# Altium PCB Controller_PCB.PcbDoc (part 1 of 3)
Units mm, origin at the board's own origin, x right, y up, seen from the top; angles counter-clockwise.
Board outline 200 x 105 mm, 2 copper layers (Top Layer, Bottom Layer), stack 1.57 mm thick; 199 components, 174 nets, 839 pads, 274 vias.
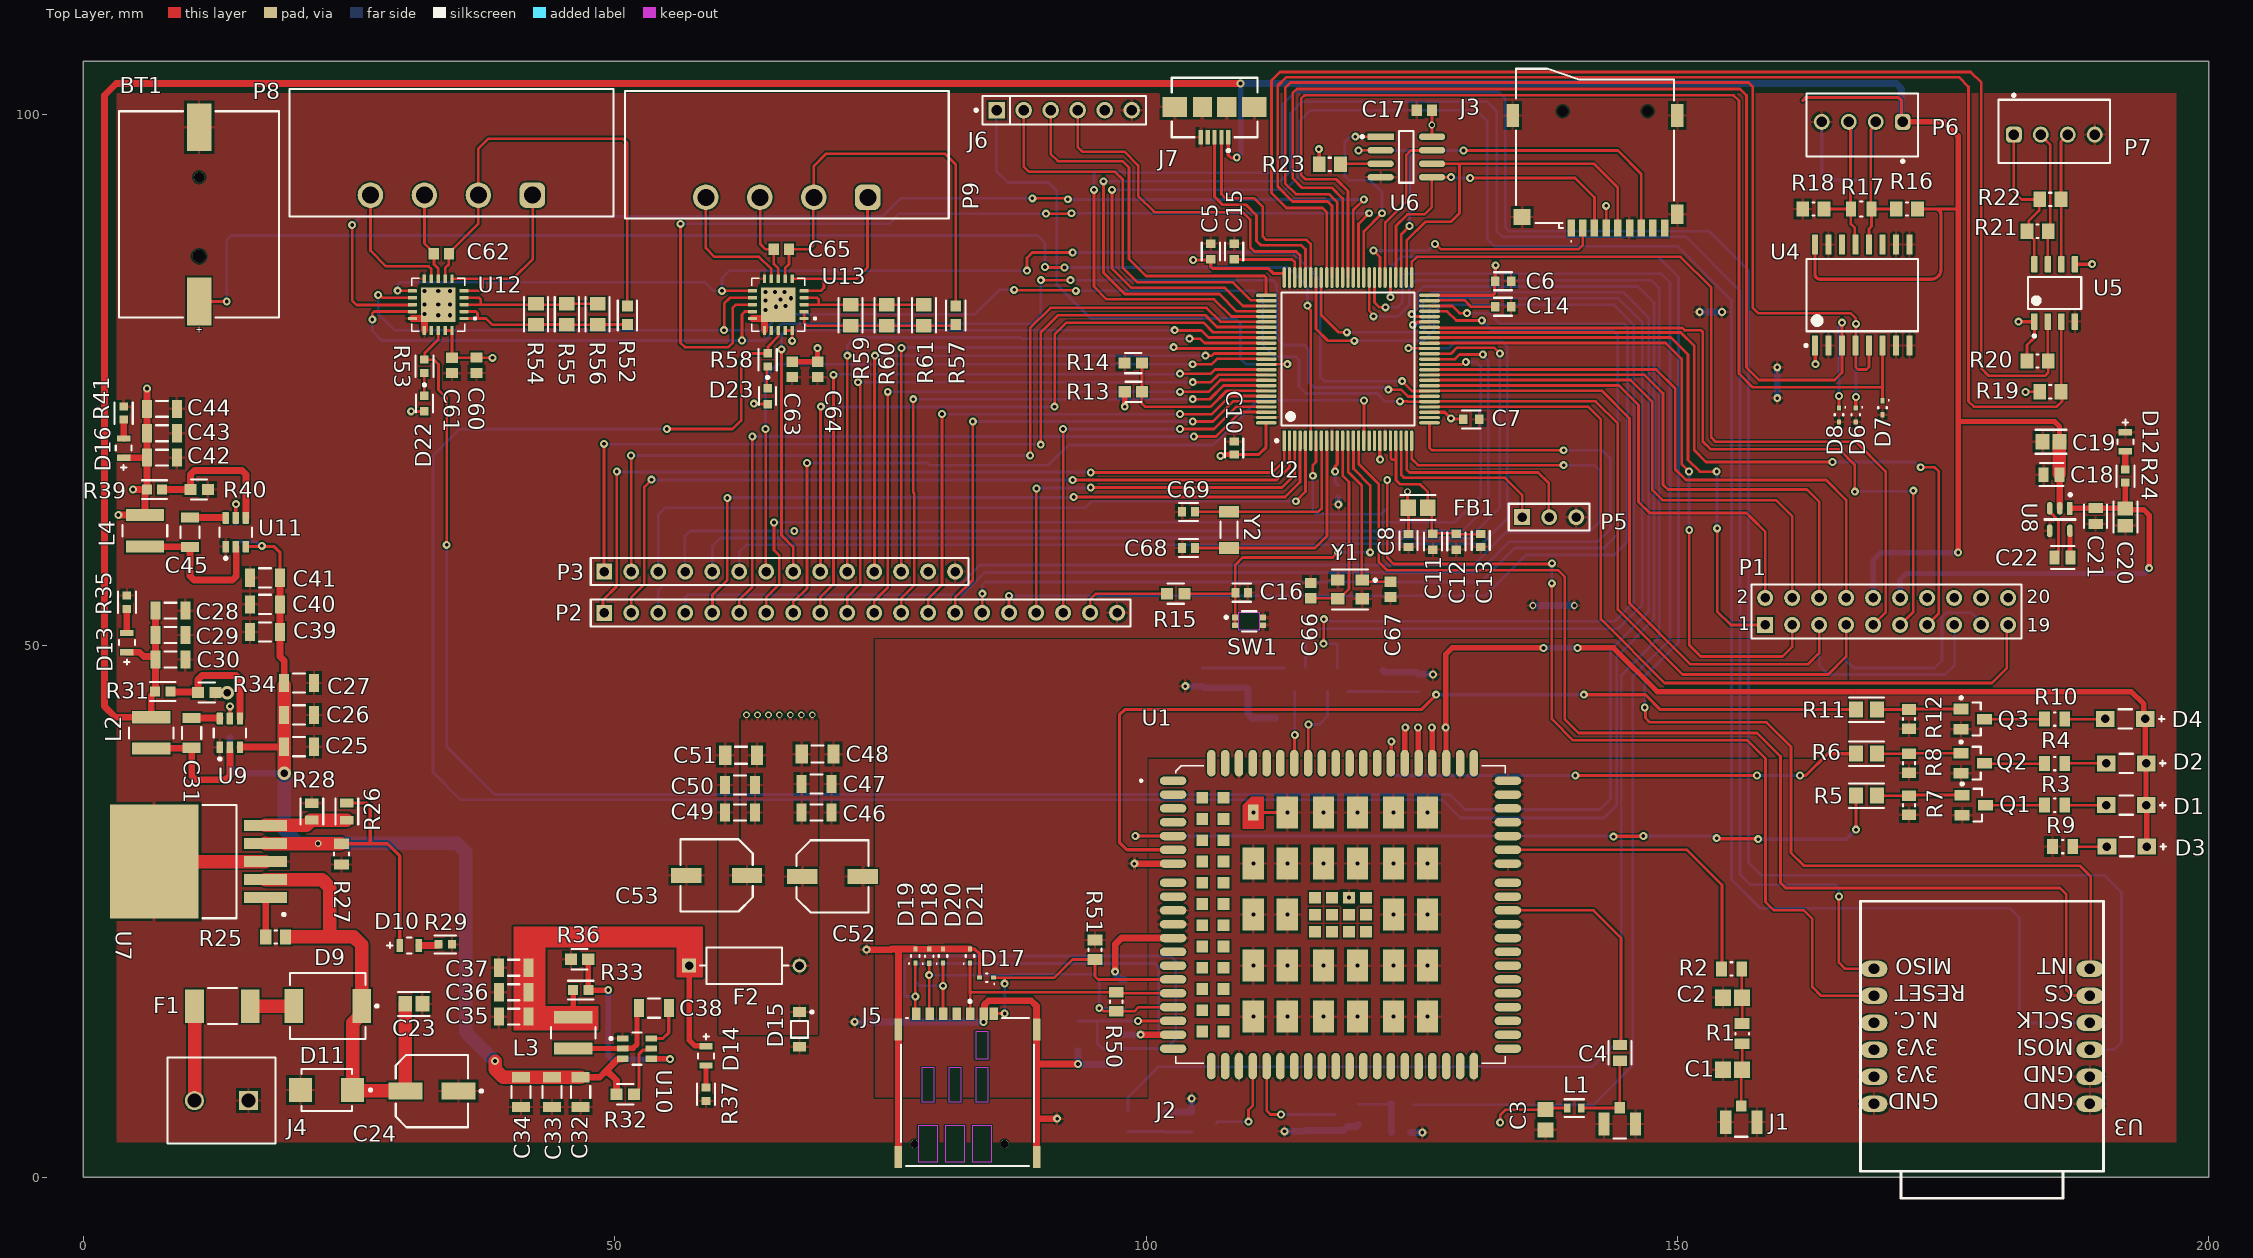
[diagram p0: Top Layer view]
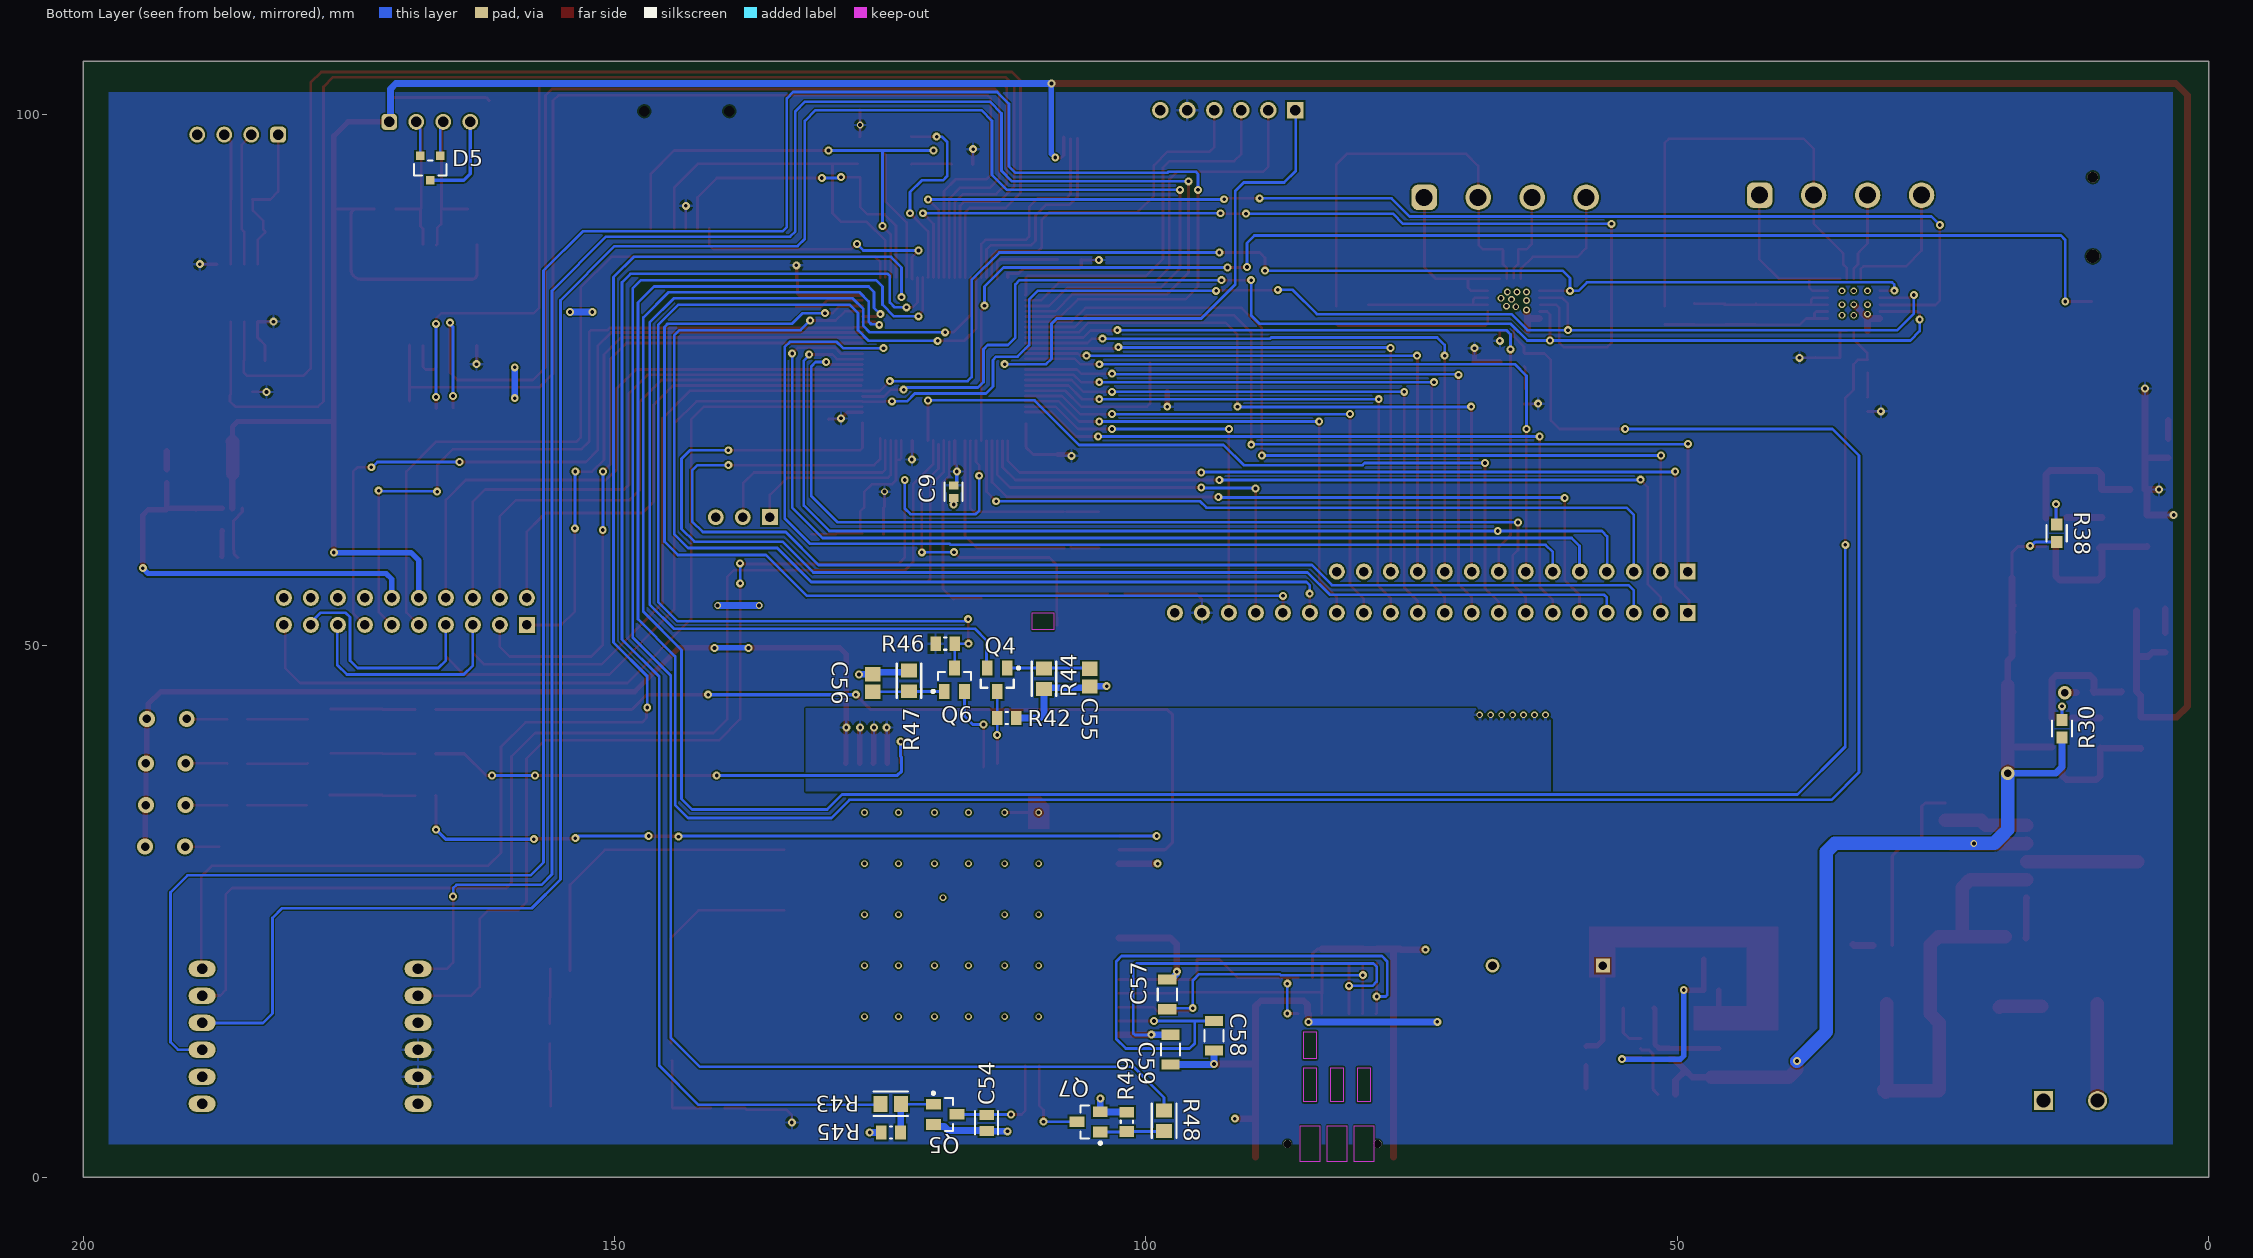
[diagram p1: Bottom Layer view, seen from below]
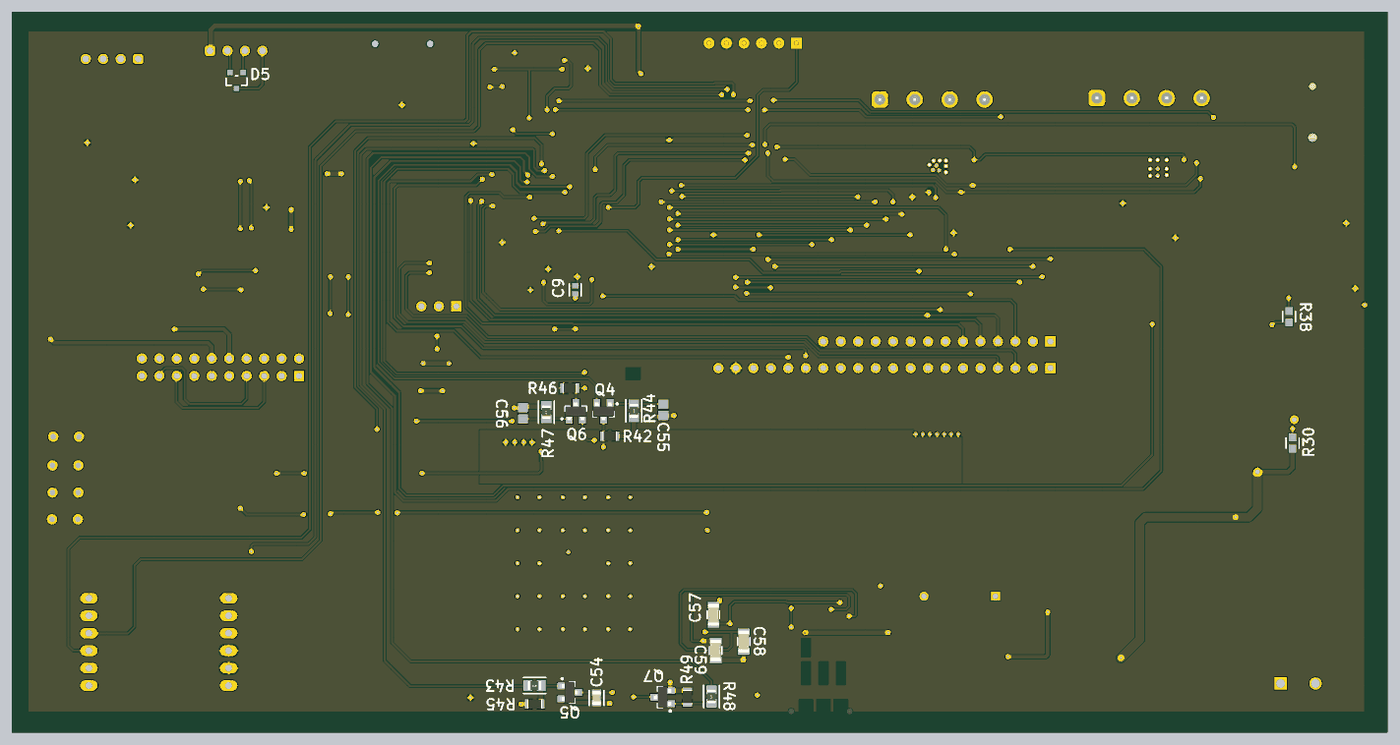
[diagram p4: 3D render of the assembled board from below, using the file's embedded part models]

## Layer stack, top to bottom
Top Solder: solder mask 0.01, Solder Resist, Dk 3.5
Top Layer: signal copper 0.035
Dielectric 1: dielectric 1.5, FR-4, Dk 4.8
Bottom Layer: signal copper 0.035
Bottom Solder: solder mask 0.01, Solder Resist, Dk 3.5

## Board outline
0,0 200,0 200,105 0,105

## Design rules (kind name [scope] priority, off if disabled: settings)
BoardOutlineClearance [All] p1: gap=0.3 ignorepadtopadclearanceinfootprint=FALSE
Clearance [All] p1: gap=0.152 ignorepadtopadclearanceinfootprint=FALSE
MinimumSolderMaskSliver [All] p1: minsoldermaskwidth=0.076
PolygonConnect [All] p1: connectstyle=Relief reliefconductorwidth=0.254 reliefentries=4 polygonreliefangle="90 Angle" airgapwidth=0.254
RoutingVias [All] p1: holewidth=0.35 width=0.75 viastyle="Through Hole" minholewidth=0.2 minwidth=0.45 maxholewidth=0.45 maxwidth=0.8
SilkToSolderMaskClearance [IsPad] p1: minsilkscreentomaskgap=0.127 clearancetoexposedcopper=TRUE
SolderMaskExpansion [All] p1: expansion=0.102 istentingtop=FALSE
Width [All] p1: maxlimit=2.54 minlimit=0.254 preferedwidth=0.254 minimp=50.000000 maximp=50.000000 favimp=50.000000
28 further rules are at their usual default settings.

## Classes and differential pairs
component class TEMP: C60 C61 C62 C63 C64 C65 D22 D23 P8 P9 R52 R53 R54 R55 R56 R57 R58 R59 R60 R61 U12 U13
component class GSM: U1
component class GSM_INDICATION: D1 D2 D3 D4 Q1 Q2 Q3 R3 R4 R5 R6 R7 R8 R9 R10 R11 R12
component class Communication_with_IO: P1 P2 P3
component class ANT: C1 C2 C3 C4 J1 J2 L1 R1 R2
component class Power_supply: C18 C19 C20 C21 C22 C23 C24 C25 C26 C27 C28 C29 C30 C31 C32 C33 C34 C35 C36 C37 C38 C39 C40 C41 C42 C43 C44 C45 C46 C47 C48 C49 C50 C51 C52 C53 D9 D10 D11 D12 D13 D14 D15 D16 F1 F2 FB1 J4 L2 L3 L4 R24 R25 R26 R27 R28 R29 R30 R31 R32 R33 R34 R35 R36 R37 R38 R39 R40 R41 U7 U8 U9 U10 U11
component class Peripherals: C17 D5 D6 D7 D8 J3 P6 P7 R16 R17 R18 R19 R20 R21 R22 R23 U3 U4 U5 U6 U48
component class MCU: BT1 C5 C6 C7 C8 C9 C10 C11 C12 C13 C14 C15 C16 C66 C67 C68 C69 J6 J7 P5 R13 R14 R15 SW1 U2 Y1 Y2
component class "SIM CARD": C54 C55 C56 C57 C58 C59 D17 D18 D19 D20 D21 J5 Q4 Q5 Q6 Q7 R42 R43 R44 R45 R46 R47 R48 R49 R50 R51

## Components (designator, comment, footprint, x,y, rotation, side; value= is the part's Value field where it differs from the comment)
BT1 "S8411-45R" FP-S8411-45R-MFG 10.9,90.6 r0 top
C1 "NA" CAPC2013X145X50ML20T25 155.2,10.1 r0 top
C2 "NA" CAPC2013X145X50ML20T25 155.2,16.9 r0 top
C3 "GRM21BR71H104KA01L" CAPC2013X135X45ML10T25 137.6,5.4 r90 top
C4 "C0805C101J1GACTU" FP-C0805C-DN-MFG 144.6,11.7 r270 top value="100 pF"
C5 "CC0603KRX5R8BB475" FP-CC0603-DA-MFG 106.1,87.1 r90 top value="4.7 uF"
C6 "CC0603KRX7R6BB105" FP-CC0603-DA-MFG 133.6,84.3 r0 top value="1 uF"
C7 "CC0603KRX7R6BB103" FP-CC0603-DA-MFG 130.6,71.3 r0 top value="10 nF"
C8 "C0603C104K8PAC7867" FP-C0603C-CF-MFG 124.7,59.9 r270 top value=0.1μF
C9 "C0603C104K8PAC7867" FP-C0603C-CF-MFG 118.1,64.5 r270 bottom value=0.1μF
C10 "C0603C104K8PAC7867" FP-C0603C-CF-MFG 108.3,68.6 r90 top value=0.1μF
C11 "CC0603KRX7R6BB105" FP-CC0603-DA-MFG 127,59.8 r270 top value="1 uF"
C12 "CC0603KRX7R6BB103" FP-CC0603-DA-MFG 129.2,59.8 r270 top value="10 nF"
C13 "C0603C104K8PAC7867" FP-C0603C-CF-MFG 131.5,59.9 r270 top value=0.1μF
C14 "CC0603KPX5R5BB225" FP-CC0603-DA-MFG 133.6,81.9 r0 top value="2.2 uF"
C15 "CC0603KPX5R5BB225" FP-CC0603-DA-MFG 108.3,87.1 r90 top value="2.2 uF"
C16 "C0603C104K8PAC7867" FP-C0603C-CF-MFG 109,55 r0 top value=0.1μF
C17 "0.1uF" CAPC1608X92X38ML15T08 126.2,100.4 r0 top
C18 "C0805C106K8PACTU" FP-C0805C-DG-MFG 185.206,66.1 r180 top value=10uF
C19 "08051C104K4T2A" FP-0805-L_2_01_0_2-W_1_25-IPC_B 185.156,69.2 r180 top
C20 "08051C104K4T2A" FP-0805-L_2_01_0_2-W_1_25-IPC_B 192.156,62.1 r270 top
C21 "C0805C106K8PACTU" FP-C0805C-DG-MFG 189.356,62.2 r270 top value=10uF
C22 "C0805C106K8PACTU" FP-C0805C-DG-MFG 186.256,58.3 r180 top value=10uF
C23 "08051C104K4T2A" FP-0805-L_2_01_0_2-W_1_25-IPC_B 31.1,16.3 r0 top
C24 "EEE-HA1H100P" FP-HAD-MFG 32.8,8.1 r180 top
C25 "C1206C106K3RACAUTO" FP-C1206C-EH-MFG 20.3,40.5 r0 top value=10uF
C26 "C1206C106K3RACAUTO" FP-C1206C-EH-MFG 20.3,43.5 r0 top value=10uF
C27 "C1206C104F3GACAUTO" FP-C1206C-EB-MFG 20.3,46.5 r0 top value=0.1μF
C28 "CAP 22uF 16V 1206(3216)" CAPC1206(3216)190_L 8.2,53.3 r180 top value=22uF
C29 "CAP 22uF 16V 1206(3216)" CAPC1206(3216)190_L 8.2,51 r180 top value=22uF
C30 "CAP 22uF 16V 1206(3216)" CAPC1206(3216)190_L 8.2,48.7 r180 top value=22uF
C31 "C1206C104F3GACAUTO" FP-C1206C-EB-MFG 10.2,41.8 r270 top value=0.1μF
C32 "C1206C106K3RACAUTO" FP-C1206C-EH-MFG 46.8,8 r270 top value=10uF
C33 "C1206C106K3RACAUTO" FP-C1206C-EH-MFG 44.1,8 r270 top value=10uF
C34 "C1206C104F3GACAUTO" FP-C1206C-EB-MFG 41.2,8 r270 top value=0.1μF
C35 "CAP 22uF 16V 1206(3216)" CAPC1206(3216)190_L 40.5,15.1 r0 top value=22uF
C36 "CAP 22uF 16V 1206(3216)" CAPC1206(3216)190_L 40.5,17.4 r0 top value=22uF
C37 "CAP 22uF 16V 1206(3216)" CAPC1206(3216)190_L 40.5,19.7 r0 top value=22uF
C38 "C1206C104F3GACAUTO" FP-C1206C-EB-MFG 53.7,15.9 r180 top value=0.1μF
C39 "C1206C106K3RACAUTO" FP-C1206C-EH-MFG 17.1,51.3 r180 top value=10uF
C40 "C1206C106K3RACAUTO" FP-C1206C-EH-MFG 17.1,53.9 r180 top value=10uF
C41 "C1206C104F3GACAUTO" FP-C1206C-EB-MFG 17.1,56.4 r180 top value=0.1μF
C42 "CAP 22uF 16V 1206(3216)" CAPC1206(3216)190_L 7.4,67.7 r180 top value=22uF
C43 "CAP 22uF 16V 1206(3216)" CAPC1206(3216)190_L 7.4,70 r180 top value=22uF
C44 "CAP 22uF 16V 1206(3216)" CAPC1206(3216)190_L 7.4,72.3 r180 top value=22uF
C45 "C1206C104F3GACAUTO" FP-C1206C-EB-MFG 10.05,60.681 r270 top value=0.1μF
C46 "CAP 100nF 16V 1206(3216)" CAPC1206(3216)170_L 69,34.3 r180 top value=100nF
C47 "C1206C330M4GACTU" FP-C1206C-EB-MFG 69,37 r0 top value="33 pF"
C48 "CAP 10pF 16V 1206(3216)" CAPC1206(3216)100_N 69.1,39.8 r180 top value=10pF
C49 "CAP 100nF 16V 1206(3216)" CAPC1206(3216)170_L 61.8,34.3 r0 top value=100nF
C50 "C1206C330M4GACTU" FP-C1206C-EB-MFG 61.8,36.9 r180 top value="33 pF"
C51 "CAP 10pF 16V 1206(3216)" CAPC1206(3216)100_N 61.9,39.7 r0 top value=10pF
C52 "EEEFK1C101P" PNSC-EEEFK1C101P_L 70.5,28.3 r0 top
C53 "EEEFK1C101P" PNSC-EEEFK1C101P_L 59.6,28.4 r180 top
C54 "C0805C103K2RACTU" FP-C0805C-DN-MFG 115,5.1 r270 bottom value="10,000 pF"
C55 "08051A102J4T2A" CAPC2013X94X50NL20T25 105.3,47 r90 bottom
C56 "08051A102J4T2A" CAPC2013X94X50NL20T25 125.7,46.5 r270 bottom
C57 "C1206C330M4GACTU" FP-C1206C-EB-MFG 98,17.2 r90 bottom value="33 pF"
C58 "C1206C330M4GACTU" FP-C1206C-EB-MFG 93.6,13.3 r270 bottom value="33 pF"
C59 "C1206C330M4GACTU" FP-C1206C-EB-MFG 97.7,12 r270 bottom value="33 pF"
C60 "0.1uF" CAPC1608X92X38ML15T08 37,76.401 r270 top
C61 "0.1uF" CAPC1608X92X38ML15T08 34.7,76.375 r270 top
C62 "0.1uF" CAPC1608X92X38ML15T08 33.7,86.9 r180 top
C63 "0.1uF" CAPC1608X92X38ML15T08 66.7,76 r270 top
C64 "0.1uF" CAPC1608X92X38ML15T08 69.1,76 r270 top
C65 "0.1uF" CAPC1608X92X38ML15T08 65.7,87.3 r180 top
C66 "VJ0603A180JXAAC" CAPC1608X92X38ML15T08 115.5,55.2 r90 top
C67 "VJ0603A180JXAAC" CAPC1608X92X38ML15T08 123,55.3 r90 top
C68 "C0603C120C5GAC7867" FP-C0603C-CF-MFG 104,59.2 r0 top value="12 pF"
C69 "C0603C120C5GAC7867" FP-C0603C-CF-MFG 104,62.6 r0 top value="12 pF"
D1 "KP-3216PBC-A" FP-KP-3216PBC-A-MFG 192.238,34.999 r180 top
D2 "KP-3216PBC-A" FP-KP-3216PBC-A-MFG 192.238,38.942 r180 top
D3 "KP-3216PBC-A" FP-KP-3216PBC-A-MFG 192.3,31.1 r180 top
D4 "KP-3216PBC-A" FP-KP-3216PBC-A-MFG 192.138,43.126 r180 top
D5 "SM712-02HTG" FP-SM712-MFG 167.35,94.955 r270 bottom
D6 "ESD5Z2.5T1G" ONSC-SOD-523-2-502-01_V 166.797,71.731 r270 top
D7 "ESD5Z2.5T1G" ONSC-SOD-523-2-502-01_V 169.3,72.4 r270 top
D8 "ESD5Z2.5T1G" ONSC-SOD-523-2-502-01_V 165.21,71.731 r270 top
D9 "SS34-E3/9AT" FP-SMC-MFG 23,16.1 r180 top
D10 "SML-LX0805SRC-TR" FP-SML-LX0805SRC-TR-MFG 30.673,21.8 r0 top
D11 "SMBJ33A" FP-SMBJ-MFG 22.9,8.2 r180 top
D12 "SML-LX0805SRC-TR" FP-SML-LX0805SRC-TR-MFG 192.156,69.2 r270 top
D13 "SML-LX0805SRC-TR" FP-SML-LX0805SRC-TR-MFG 4.1,50.3 r90 top
D14 "SML-LX0805SRC-TR" FP-SML-LX0805SRC-TR-MFG 58.6,11.4 r270 top
D15 "MMSZ4V7T1G" ONSC-SOD-123-2-425-04_V 67.4,13.9 r270 top
D16 "SML-LX0805SRC-TR" FP-SML-LX0805SRC-TR-MFG 3.8,68.6 r90 top
D17 "ESD5Z2.5T1G" ONSC-SOD-523-2-502-01_V 85.005,18.776 r180 top
D18 "ESD5Z2.5T1G" ONSC-SOD-523-2-502-01_V 79.603,20.79 r90 top
D19 "ESD5Z2.5T1G" ONSC-SOD-523-2-502-01_V 78.3,20.8 r90 top
D20 "ESD5Z2.5T1G" ONSC-SOD-523-2-502-01_V 80.9,20.8 r90 top
D21 "ESD5Z2.5T1G" ONSC-SOD-523-2-502-01_V 83.444,20.8 r90 top
D22 "LTST-C191TBKT" FP-LTST-C191TBKT-MFG 32.1,72.8 r270 top
D23 "LTST-C191TBKT" FP-LTST-C191TBKT-MFG 64.4,73.5 r270 top
F1 "1812L150/24MR" FP-1812L-MFG 13.1,16.1 r0 top value=0.04-0.12Ω
F2 "0473003.YRT1L" FP-473-0 62.2,19.9 r0 top value=0.0380Ω
FB1 "BLM21AG121SN1D" FP-BLM21-0_2-t0_85-e0_5-IPC_A 125.6,63 r0 top
J1 "U.FL-R-SMT(10)" FP-U_FL-R-SMT_10-MFG 156.024,5.175 r0 top
J2 "U.FL-R-SMT(10)" FP-U_FL-R-SMT_10-MFG 144.575,5 r0 top
J3 "MSD-1-A" MSD1A 142.25,96.4 r180 top
J4 "1729128" PHOE-1729128-2_V 13,7.2 r180 top
J5 "SIM8066-6-1-14-01-A" FP-SIM8066-6-1-14-01-A-MFG 83.2,8 r0 top
J6 "315-43-106-41-001000" FP-315-43-106-41-001000-MFG 92.3,100.4 r0 top
J7 "10104110-0001LF" FCI-10104110-0001LF_V 106.45,99.275 r180 top
L1 "LQW18AN47NG00D" FP-LQW18AN_00-MFG 140.3,6.5 r180 top
L2 "IFSC1515AHER2R2M01" FP-IFSC1515AH-MFG 6.4,41.8 r90 top
L3 "IFSC1515AHER2R2M01" FP-IFSC1515AH-MFG 46.1,13.575 r90 top
L4 "IFSC1515AHER2R2M01" FP-IFSC1515AH-MFG 5.8,60.825 r90 top
P1 "Header 10X2" HDR2X10 158.26,51.96 r0 top locked
P2 "Header 20" HDR1X20 49.02,53.1 r0 top locked
P3 "Header 14" HDR1X14 49.02,56.979 r0 top locked
P5 "Header 3" HDR1X3 135.4,62.1 r0 top
P6 "61900411121" 61900411121 167.4,99 r0 top
P7 "61900411121" 61900411121 185.47,98.4 r180 top
P8 "691317510004" 691317510004 34.64,96.4 r180 top
P9 "691317510004" 691317510004 66.2,96.2 r180 top
Q1 "MMBT3904" FAIR-SOT23-3_V 177.9,35 r0 top
Q2 "MMBT3904" FAIR-SOT23-3_V 177.8,38.95 r0 top
Q3 "MMBT3904" FAIR-SOT23-3_V 177.8,43.1 r0 top
Q4 "MMBT3904" FAIR-SOT23-3_V 114,46.8 r270 bottom
Q5 "MMBT3904" FAIR-SOT23-3_V 118.9,5.9 r180 bottom
Q6 "MMBT3904" FAIR-SOT23-3_V 118.025,46.8 r90 bottom
Q7 "MMBT3904" FAIR-SOT23-3_V 105.4,5.2 r0 bottom
R1 "0R" FP-CRCW0805-e3-IPC_B 156.1,13.5 r90 top
R2 "0R" FP-CRCW0805-e3-IPC_B 155.1,19.6 r180 top
R3 "CRCW08052K20FKEA" FP-CRCW0805-e3-IPC_B 185.5,35 r0 top
R4 "CRCW08052K20FKEA" FP-CRCW0805-e3-IPC_B 185.5,38.908 r0 top
R5 "CRG0805F1K0" FP-CRG0805-IPC_A 167.8,35.9 r180 top
R6 "CRG0805F1K0" FP-CRG0805-IPC_A 167.8,39.846 r180 top
R7 "RC0805FR-0710KL" RESC2013X60X35NL10T20 171.8,35 r90 top value=10K
R8 "RC0805FR-0710KL" RESC2013X60X35NL10T20 171.8,38.942 r90 top value=10K
R9 "CRCW08052K20FKEA" FP-CRCW0805-e3-IPC_B 186.251,31.1 r0 top
R10 "CRCW08052K20FKEA" FP-CRCW0805-e3-IPC_B 185.5,43.1 r0 top
R11 "CRG0805F1K0" FP-CRG0805-IPC_A 167.8,43.996 r180 top
R12 "RC0805FR-0710KL" RESC2013X60X35NL10T20 171.8,43.1 r90 top value=10K
R13 "CRCW060310K0FKED" FP-CRCW0603-e3-IPC_A 98.815,73.9 r0 top
R14 "CRCW060310K0FKED" FP-CRCW0603-e3-IPC_A 98.8,76.6 r180 top
R15 "CRCW060310K0FKED" FP-CRCW0603-e3-IPC_A 102.8,54.9 r180 top
R16 "RC0805FR-071KL" RESC2013X60X35ML10T20 171.6,91.1 r0 top
R17 "CRCW0805120RFKEA" FP-CRCW0805-e3-MFG 167.3,91.1 r0 top
R18 "RC0805FR-071KL" RESC2013X60X35ML10T20 162.8,91.1 r0 top
R19 "RC0805FR-074K7L" YAGO-RC0805_M 185.1,73.9 r180 top
R20 "RC0805FR-074K7L" YAGO-RC0805_M 183.9,76.8 r180 top
R21 "RC0805FR-074K7L" YAGO-RC0805_M 183.9,89 r180 top
R22 "RC0805FR-074K7L" YAGO-RC0805_M 185.1,92 r180 top
R23 "RC0805FR-074K7L" YAGO-RC0805_M 117.3,95.3 r180 top
R24 "CRGCQ0603J1K0" FP-CRGCQ0603-IPC_C 192.156,65.973 r270 top value=1KΩ
R25 "CRCW080551K0FKEA" RESC2013X50X30NL20T20 18.1,22.6 r0 top value=51K
R26 "12K" FP-RC0805-0_6-IPC_C 24.8,34.4 r90 top
R27 "CRCW0805470RJNEAHP" FP-CRCW0805-HPe3-MFG 24.3,30.4 r90 top
R28 "CR0805-FX-4702ELF" FP-CR0805-IPC_C 21.5,34.4 r270 top
R29 "CRGCQ0603J1K0" FP-CRGCQ0603-IPC_C 34.073,21.9 r0 top value=1KΩ
R30 "CRCW060310K0FKED" FP-CRCW0603-e3-IPC_A 13.8,42.2 r270 bottom
R31 "CRCW060332K4FHEAP" FP-CRCW0603-Pe3-IPC_B 7.485,45.7 r180 top
R32 "CRCW060310K0FKED" FP-CRCW0603-e3-IPC_A 51,7.8 r180 top
R33 "CRCW060332K4FHEAP" FP-CRCW0603-Pe3-IPC_B 46.815,17.6 r180 top
R34 "CRCW060310K0FKED" FP-CRCW0603-e3-IPC_A 11.615,45.6 r0 top
R35 "CRGCQ0603J1K0" FP-CRGCQ0603-IPC_C 4.1,54.1 r90 top value=1KΩ